# Altium PCB Condor2a.PcbDoc (part 1 of 2) (continued)
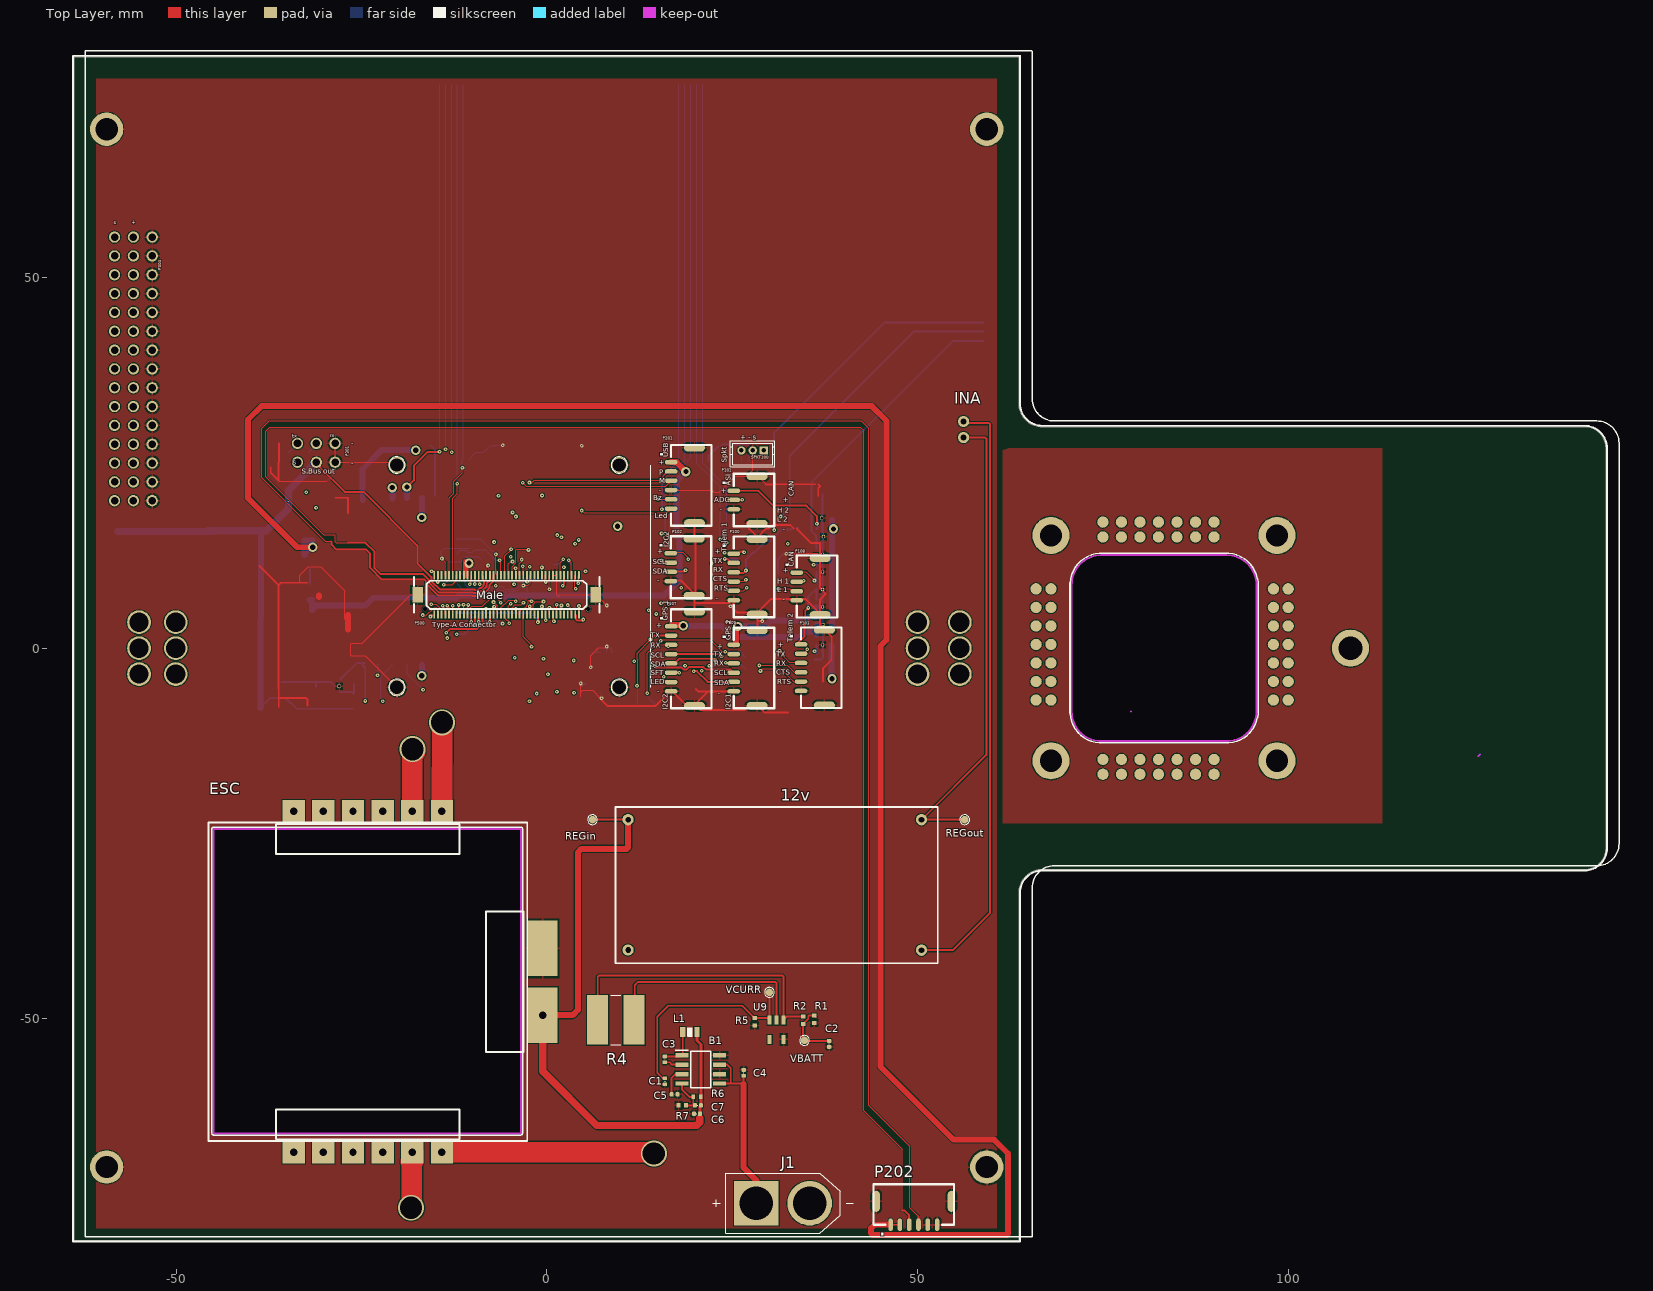
[diagram p0: Top Layer view]
## Components (designator, comment, footprint, x,y, rotation, side; value= is the part's Value field where it differs from the comment) (continued)
INA "Connector - Air Unit" "Connector - Air Unir" 56.21,29.302 r180 top
J1 "XT60-M" AMASS_XT60-M 31.858,-74.879 r0 top
JP100 "HEADER_2MM_RA_SMD" HEADER_2MM_RA_2 33.657,15.167 r90 bottom
L1 "INDUCTOR0805" 0805-IND 19.282,-51.791 r0 top
L100 "Kyocera KNH16C104DA5TS EMI filter" KYOCERA-KNH16-DA 37.068,17.529 r180 bottom
L101 "Kyocera KNH16C104DA5TS EMI filter" KYOCERA-KNH16-DA 37.195,0.455 r180 bottom
L102 "Kyocera KNH16C104DA5TS EMI filter" KYOCERA-KNH16-DA 37.195,7.923 r180 bottom
L103 "Kyocera KNH16C104DA5TS EMI filter" KYOCERA-KNH16-DA 37.195,12.662 r180 bottom
L104 "Kyocera KNH16C104DA5TS EMI filter" KYOCERA-KNH16-DA 37.218,3.183 r180 bottom
L105 "Kyocera KNH16C104DA5TS EMI filter" KYOCERA-KNH16-DA 37.322,15.032 r180 bottom
L106 "Kyocera KNH16C104DA5TS EMI filter" KYOCERA-KNH16-DA 37.195,10.292 r180 bottom
L107 "Kyocera KNH16C104DA5TS EMI filter" KYOCERA-KNH16-DA 37.195,5.553 r180 bottom
L300 "Kyocera KNH16C104DA5TS EMI filter" KYOCERA-KNH16-DA -28.01,-5.139 r90 bottom
M1 "MR30" MR30 50,0 r90 bottom
M2 "MR30" MR30 -50.063,0 r90 bottom
M3 "MR30" MR30 55.7,0 r90 bottom
M4 "MR30" MR30 -55.016,0 r90 bottom
P100 "JST_GH_V6" JST_GH_V6 30.658,9.62 r270 top
P101 "JST_GH_V3" JST_GH_V3 30.658,19.988 r270 top
P102 "JST_GH_V4" JST_GH_V4 22.158,10.92 r270 top
P103 "JST_GH_V6" JST_GH_V6 39.741,-2.625 r270 top
P104 "JST_GH_V4" JST_GH_V4 64.5,43.302 r90 bottom
P105 "JST_SUR_6" JST_SUR_H6 -12.482,78 r0 bottom
P106 "JST_SUR_6" JST_SUR_H6 19.819,78 r0 bottom
P107 "JST_GH_V8" JST_GH_V8 22.208,-1.43 r270 top
P108 "JST_GH_V4" JST_GH_V4 39.158,8.32 r270 top
P109 "JST_GH_V6" JST_GH_V6 30.658,-2.68 r270 top
P201 "JST_GH_V6" JST_GH_V6 22.208,21.962 r270 top
P202 "JST_GH_V6" JST_GH_V6 49.495,-72.325 r0 top
P301 "con 2x6" TSW-103-07-G-D -31.102,27.62 r90 top
P304 "PH_2 Servo header" TSW-115-08-G-T-RA -55.778,37.668 r0 top
P500 "CON-DF17-80M" CON-DF17-80M -5.446,7.18 r0 top
PSM200 "Power Selection module" PSM -22.184,9.262 r270 bottom
R1 "RESISTOR0402-RES" 0402-RES 36.068,-50.062 r270 top
R2 "RESISTOR0402-RES" 0402-RES 34.569,-50.181 r90 top
R4 "CSS2725FTL250" RESC6864X124N 9.296,-50.14 r0 top
R5 "RESISTOR0402-RES" 0402-RES 28.016,-50.394 r90 top
R6 "RESISTOR0402-RES" 0402-RES 20.248,-60.524 r180 top
R7 "RESISTOR0402-RES" 0402-RES 18.257,-61.684 r180 top
REGin "PAD.04" PAD.04X.04 6.158,-23.139 r90 top
REGout "PAD.04" PAD.04X.04 56.364,-23.139 r90 top
S1RX "PAD.04" PAD.04X.04 27.924,12.825 r0 bottom
S1TX "PAD.04" PAD.04X.04 25.765,11.809 r0 bottom
S2RX "PAD.04" PAD.04X.04 22.658,-3.08 r0 bottom
S2TX "PAD.04" PAD.04X.04 16.658,-3.28 r0 bottom
S3RX "PAD.04" PAD.04X.04 14.758,-7.68 r0 bottom
S3TX "PAD.04" PAD.04X.04 12.258,-7.68 r0 bottom
S4RX "PAD.04" PAD.04X.04 26.658,-2.78 r180 bottom
S4TX "PAD.04" PAD.04X.04 26.604,-0.942 r180 bottom
S5_RX "PAD.04" PAD.04X.04 -32.294,26.433 r135 bottom
S5_TX "PAD.04" PAD.04X.04 -34.91,26.255 r135 bottom
SPI!CS1 "PAD.04" PAD.04X.04 3.266,11.269 r0 bottom
SPI_MISO1 "PAD.04" PAD.04X.04 -8.951,12.082 r0 bottom
SPI_MOSI1 "PAD.04" PAD.04X.04 -8.087,10.532 r180 bottom
SPI_SCK1 "PAD.04" PAD.04X.04 -10.348,13.657 r90 bottom
SPKT100 "CONN_SPEKTRUM_RX-TH" B3B-ZR 27.772,26.668 r180 top
U9 "INA169" INA169 30.988,-51.481 r180 top
VBATT "PAD.04" PAD.04X.04 34.747,-52.908 r180 top
VCURR "PAD.04" PAD.04X.04 30.023,-46.431 r180 top

## Footprints (in the part's own frame and the unit in brackets; to place one, negate y for a bottom-side part, rotate by r counter-clockwise, add the part's x,y. Pads: shape width x height; smd on the part's side, far side on the other; paste and mask are expansions set on the pad)
0402-CAP [mil]
  rrect50% 20x24 smd mask+0: P$1(-15.75,0) P$2(15.75,0)
  silkscreen extent 0,0 0,1, body extent -20,-10 20,10, height 20
0402-RES [mil] "0402-RES"
  rect 20x24 smd: P1(19.69,0) P2(-20,0)
  body extent -20,-10 20,10
0402-TVS [mil] "0402-TVS"
  rect 20x24 smd: A(20,0) C(-19.68,0)
  silkscreen extent -10,-16 3,16, body extent -20,-10 20,10, height 20
0805-IND [mil]
  rect 28x52 smd: P$1(-37.4,0) P$2(38,0)
  silkscreen extent -12,-23 12,23
AMASS_XT60-M [mm]
  round 6 hole 4.55: N(3.6,0)
  rect 6x6 / inner round 6 / far side rect 6x6 hole 4.55: P(-3.6,0)
  silkscreen extent -9.5,-4.05 9.5,4.05, body extent -7.75,-4.05 7.75,4.05, height 15.75
B3B-ZR [mil]
  rect 44x44 hole 24: 1(-59.05,0)
  round 44 hole 24: 2(0,0) 3(60,0)
  silkscreen extent -118,-51 119,87
CON-DF17-80M [mil]
  rrect100% 10x44 smd: 1(384,105)
  rect 10x44 smd: 2(384,-104.33) 3(365,105) 4(365,-104.33) 5(345,105) 6(345,-104.33) 7(325,105) 8(325,-104.33) 9(306,105) 10(306,-104.33) 11(286,105) 12(286,-104.33) 13(266,105) 14(266,-104.33) 15(247,105) 16(247,-104.33) 17(227,105) 18(227,-104.33) 19(207,105) 20(207,-104.33) 21(188,105) 22(188,-104.33) 23(168,105) 24(168,-104.33) 25(148,105) 26(148,-104.33) 27(128,105) 28(128,-104.33) 29(109,105) 30(109,-104.33) 31(89,105) 32(89,-104.33) 33(69,105) 34(69,-104.33) 35(50,105) 36(50,-104.33) 37(30,105) 38(30,-104.33) 39(10,105) 40(10,-104.33) 41(-9.84,105) 42(-9.84,-104.33) 43(-29.53,105) 44(-29.53,-104.33) 45(-49.21,105) 46(-49.21,-104.33) 47(-68.9,105) 48(-68.9,-104.33) 49(-88.58,105) 50(-88.58,-104.33) 51(-108.27,105) 52(-108.27,-104.33) 53(-127.95,105) 54(-127.95,-104.33) 55(-147.64,105) 56(-147.64,-104.33) 57(-167.32,105) 58(-167.32,-104.33) 59(-187.01,105) 60(-187.01,-104.33) 61(-206.69,105) 62(-206.69,-104.33) 63(-226.38,105) 64(-226.38,-104.33) 65(-246.06,105) 66(-246.06,-104.33) 67(-265.75,105) 68(-265.75,-104.33) 69(-285.43,105) 70(-285.43,-104.33) 71(-305.12,105) 72(-305.12,-104.33) 73(-324.8,105) 74(-324.8,-104.33) 75(-344.49,105) 76(-344.49,-104.33) 77(-364.17,105) 78(-364.17,-104.33) 79(-383.86,105) 80(-383.86,-104.33)
  round 87 hole 71: GND(-582,-491) GND(-582,690) GND(599,-491) GND(599,690)
  rect 56x83 smd: GND(-472.44,0) GND(473,0)
  round 26 hole 26 unplated: hole-1(-433.07,-74.8) hole-2(434,-74.8)
  silkscreen extent -626,-535 643,734, body extent -492,-109 492,115, height 124
"Connector - Air Unir" [mil]
  round 60 hole 30: 1(0,35) 2(0,-50)
"FOXEeR REAPER" [mm] "_128K"
  rect 3x3 hole 1: 1(-23,10) 2(-23,6) 3(-23,2) 4(-23,-2) 5(-23,-6) 6(-23,-10) 9(23,-10) 10(23,-6) 11(23,-2) 12(23,2) 13(23,6) 14(23,10)
  rect 7.5x4 hole 1: 7(-4.5,-23.6)
  rect 7.5x4 smd: 8(4.5,-23.6)
  silkscreen extent -21.5,-21.5 21.5,21.5, body extent -19.75,-20.25 20.25,20.25, height 4.5
HEADER_2MM_RA_2 [mil]
  rrect100% 50x119 smd: 1(-41.19,-31.46) 2(40.8,-35.39)
INA169 [mm]
  rect 0.55x1.2 smd: 1(-0.95,-1.3) 2(0,-1.3) 3(0.95,-1.3) 4(0.95,1.3) 5(-0.95,1.3)
  body extent -1.45,-1.53 1.45,1.27, height 1.2
JST_GH_V3 [mil]
  rrect100% 24x67 smd: 1(-49.21,-214.57) 2(0,-214.57) 3(50,-214.57)
  rrect100% 40x111 smd: GND(-125.98,-90.55) GND(126,-90.55)
  silkscreen extent -140,-215 140,0, body extent -138,-235 138,-40, height 165
JST_GH_V4 [mil]
  rrect100% 24x67 smd: 1(-73.82,-214.57) 2(-24.61,-214.57) 3(25,-214.57) 4(74,-214.57)
  rrect100% 40x111 smd: GND(-150.59,-90.55) GND(151,-90.55)
  silkscreen extent -164,-215 165,0, body extent -162,-235 163,-40, height 165
JST_GH_V6 [mil]
  rrect100% 24x67 smd: 1(-123.03,-214.57) 2(-73.82,-214.57) 3(-24.61,-214.57) 4(25,-214.57) 5(74,-214.57) 6(124,-214.57)
  rrect100% 40x111 smd: GND(-199.8,-90.55) GND(200,-90.55)
  silkscreen extent -214,-215 214,0, body extent -212,-232 212,-37, height 165
JST_GH_V8 [mil]
  rrect100% 24x67 smd: 1(-172.24,-214.57) 2(-123.03,-214.57) 3(-73.82,-214.57) 4(-24.61,-214.57) 5(25,-214.57) 6(74,-214.57) 7(124,-214.57) 8(173,-214.57)
  rrect100% 40x111 smd: GND(-249.01,-90.55) GND(250,-90.55)
  silkscreen extent -263,-215 263,0, body extent -261,-234 261,-39, height 165
JST_SUR_H6 [mm]
  rect 0.5x1 smd: 1(-2,2)
  rrect100% 0.5x1 smd: 2(-1.2,2) 3(-0.4,2) 4(0.4,2) 5(1.2,2) 6(2,2)
  rect 1.2x1.7 smd: GND(-3.3,0.05) GND(3.3,0.05)
  silkscreen extent -3.6,-0.4 3.6,2, body extent -3.5,-0.4 3.5,2.3, height 1.7
KYOCERA-KNH16-DA [mil] "KYOCERA-KNH16-DA"
  rect 16x16 smd: GND(0,-15.75) GND(0,16)
  rect 16x16 hole 12: GND(0,0)
  rect 24x24 smd: P$1(-31.49,0) P$2(32,0)
  silkscreen extent -31,-16 32,16, body extent -20,-10 20,10, height 14
"LM2596 DC-DC HW-411" [mil]
  round 60 hole 30: IN+(75.59,767.72) IN-(75.59,75.59) OUT+(1633.86,767.72) OUT-(1633.86,74.8)
  silkscreen extent 9,5 1720,836, body extent 5,5 1705,840, height 500
MICROSMP [mil]
  rect 32x32 smd: ANODE(26,0)
  rect 79x44 smd: CATHODE(-49.21,0)
  silkscreen extent -67,-24 24,35
MR30 [mm] "Connector; Header; 3 Position"
  round 3.2 hole 2.6: 1(-3.5,0) 2(0,0) 3(3.5,0)
  silkscreen extent -5.95,-2.45 5.95,2.45, body extent -6.1,-2.6 6.09,2.6, height 9.6
PAD.04X.04 [mil]
  rrect100% 40x40 smd paste-78.74: P$1(0,0)
  silkscreen extent -26,-26 26,26
PSM [mm]
  rrect50% 1.5x1.016 smd: 5V_HIPOWER(-11.25,-5.317) 5V_PERIPH(-11.25,-3.317) !VBUS_VALID(11.75,0.686) !VDD_BACKUP_VALID(11.75,-1.317) !VDD_BRICK_VALID(11.75,-3.317) GND(-11.25,-7.317) GND(11.75,-7.317) NC(-11.25,0.686) RX(-11.25,-1.317) SERVO_IN(11.75,2.692) SPEK(-11.25,2.692) VDD_5V_IN_PROT(11.75,-5.317)
  rrect50% 1.016x1.5 smd: !VDD_5V_HIPOWER_OC(-5.5,-10.25) !VDD_5V_PERIPH_EN(0.508,-10.25) !VDD_5V_PERIPH_OC(-3.5,-10.25) ALARM(4.521,-10.25) BUZZER_OUT(6.502,-10.25) VBUS(2.515,-10.25) VDD_3V3_SPEKTRUM_EN(-1.5,-10.25) VDD_5V_BACKUP(-1.4,9.75) VDD_5V_BACKUP(0.6,9.75) VDD_BRICK_IN(-5.5,9.75) VDD_BRICK_IN(-3.5,9.75) VDD_VBUS(2.7,9.75) VDD_VBUS(4.7,9.75)
  silkscreen extent -11.33,-10.32 11.9,9.83, body extent -11.3,-10.24 11.66,9.73, height 2.11
RESC6864X124N [mm]
  rect 2.86x6.71 smd: 1(-2.456,0) 2(2.456,0)
  silkscreen extent -0.7,-3.35 0.7,3.35
SOT127P600X170-8N [mm]
  rect 1.75x0.6 smd: 1(-2.55,1.905) 2(-2.55,0.635) 3(-2.55,-0.635) 4(-2.55,-1.905) 5(2.55,-1.905) 6(2.55,-0.635) 7(2.55,0.635) 8(2.55,1.905)
  silkscreen extent -3.42,-2.45 1.33,2.56, body extent -3,-2.45 3,2.45, height 1.57
TSW-103-07-G-D [mil] "2x6 pin"
  round 60 / inner round 60 / far side round 74.02 hole 40.16: 1(-100,100) 2(0,100) 3(-100,0) 4(0,0) 5(-100,-100) 6(0,-100)
  body extent -150,-150 50,150, height 330
TSW-115-08-G-T-RA [mil] "15 pin head"
  round 60 / inner round 60 / far side round 74.02 hole 40.16: 1(-100,-700) 2(-100,-600) 3(-100,-500) 4(-100,-400) 5(-100,-300) 6(-100,-200) 7(-100,-100) 8(-100,0) 9(-100,100) 10(-100,200) 11(-100,300) 12(-100,400) 13(-100,500) 14(-100,600) 15(-100,700) GND(100,-700) GND(100,-600) GND(100,-500) GND(100,-400) GND(100,-300) GND(100,-200) GND(100,-100) GND(100,0) GND(100,100) GND(100,200) GND(100,300) GND(100,400) GND(100,500) GND(100,600) GND(100,700) "RX 5V"(0,700) "SERVO VCC"(0,-700) "SERVO VCC"(0,-600) "SERVO VCC"(0,-500) "SERVO VCC"(0,-400) "SERVO VCC"(0,-300) "SERVO VCC"(0,-200) "SERVO VCC"(0,-100) "SERVO VCC"(0,0) "SERVO VCC"(0,100) "SERVO VCC"(0,200) "SERVO VCC"(0,300) "SERVO VCC"(0,400) "SERVO VCC"(0,500) "SERVO VCC"(0,600)

## Part data
B1: "SIMPLE SWITCHER, 36V 2.5A Synchronous Step-Down Converter", Manufacturer_Name="Texas Instruments", Mouser Part Number=595-LMR23625CDDAR, Datasheet Link=http://www.ti.com/lit/gpn/lmr23625, Geometry.Height=1.7mm, Manufacturer_Part_Number=LMR23625CDDAR, Mouser Price/Stock=https://www.mouser.co.uk/ProductDetail/Texas-Instruments/LMR23625CDDAR?qs=8%2FmU9qzJpL%2FuNiFnLdW2uw%3D%3D
C1 C2 C3 C4 C5 C7: library part CAP0402, PARTNO=CC0402ZRY5V7BB104, Supplier Part Number 1=311-1047-1-ND, Supplier 1=Digi-Key
C6: library part CAP0402, PARTNO=CC0402ZRY5V7BB104, Supplier 1=Digi-Key
D100 D101 D102 D103 D104 D105 D106 D107 D108 D301: "Diode, TVS, 14VWM, 40VC, 0402, SMD", Supplier Part Number 1=650-PESD0402-140, Supplier 1=Mouser
D300: library part DIODE-SCHOTTKY_MSMP, "Diode, Schottky, 40V, 1A, MicroSMP, SMD", Supplier Part Number 1=15R2105, Supplier 1=Newark
J1: "Plug; DC supply; XT60; male; PIN: 2; for cable; soldered; 30A; 500V", Package=Package, Availability="Not in stock", Check_prices=https://www.snapeda.com/parts/XT60-M/AMASS/view-part/?ref=eda, MF=AMASS, MP=XT60-M, Price=None, SnapEDA_Link=https://www.snapeda.com/parts/XT60-M/AMASS/view-part/?ref=snap
JP100: "Connector, PCB, 2MM, 2Pos, R/A, SMD, Au", Supplier Part Number 1=830-10-002-40-001101-ND, Supplier 1=Digi-Key
L1: Supplier Part Number 1=240-2389-6-ND, Supplier 1=Digi-Key
L100 L101 L102 L103 L104 L105 L106 L107 L300: library part KNH16C104DA5TS, "Capacitor, Filter, 0.1uF, 25V, 2A, 0603, SMD", Supplier Part Number 1=478-6878-1-ND, Supplier 1=Digi-Key
P100 P103 P109 P201: "BM06B-GHS-TBT", Supplier Part Number 1=455-1582-2-ND, Supplier 1=Digi-Key
P101: "BM03B-GHS-TBT", Supplier Part Number 1=455-1579-2-ND, Supplier 1=Digi-Key
P102 P104 P108: "BM04B-GHS-TBT", Supplier Part Number 1=455-1580-2-ND, Supplier 1=Digi-Key
P105 P106: "Connector, Header, 6Pos, .8mm IDC, R/A, SMD, Tin", Supplier Part Number 1=SM06B-SURS-TF(LF)(SN)-ND, Supplier 1=Digi-Key
P107: "BM08B-GHS-TBT", Supplier Part Number 1=455-1584-2-ND, Supplier 1=Digi-Key
P202: "BM06B-GHS-TBT", Supplier 1=Digi-Key
P301: "Connector, Header, 6Pos, 2.54MM, Vert, THT, Au", Supplier Part Number 1=79P3920, Supplier 1=Newark
P304: "Connector, Header, 45Pos, 2.54MM, R/A, THT, Tin"
P500: "Connector, Header, 80Pos, .5MM, DUAL, SMD, Au", Supplier Part Number 1=DF17(1.0H)-80DP-0.5V(57)-ND, Supplier 1=Digi-Key
PSM200: library part PSMPSM, "PCA, PSM, Assembly"
R4: "250 ÂµOhms Â±1% 4W Chip Resistor Nonstandard Automotive AEC-Q200, Current Sense Metal Element", Package="6864 Stackpole", Check_prices=https://www.snapeda.com/parts/CSS2725FTL250/Stackpole%20Electronics%20Inc/view-part/4222273/?ref=eda, Digi-Key_Part_Number=CSS2725FTL250CT-ND, MF="Stackpole Electronics Inc", MP=CSS2725FTL250, Purchase-URL=https://pricing.snapeda.com/search/part/CSS2725FTL250/?ref=eda, SnapEDA_Link=https://www.snapeda.com/parts/CSS2725FTL250/Stackpole%20Electronics%20Inc/view-part/4222273/?ref=snap
SPKT100: "Spektrum RX connector; JST ZH series S3B-ZR-SM4A-TF", PARTNO=B3B-ZR(LF)(SN)
M1 M2 M3 M4: LatestRevisionDate=17-Jul-2002, LatestRevisionNote="Re-released for DXP Platform.", Publisher="Altium Limited"

## Free pads (board coordinates)
  round 4.5 hole 3: 6(-59.38,-70) 6(-59.38,70) 6(59.34,-70) 6(59.34,70)
  round 5 hole 3: 7(68,15.2) 8(68,-15.2) 9(98.5,15.2) 10(98.5,-15.2)
  round 5 hole 3.2: 11(108.4,0)
  round 1.524 all layers, no hole: 15(75,17) 16(77.5,17) 17(80,17) 18(82.5,17) 19(85,17) 20(87.5,17) 21(90,17) 22(75,15) 23(77.5,15) 24(80,15) 25(82.5,15) 26(85,15) 27(87.5,15) 28(90,15) 29(75.006,-15.011) 30(77.506,-15.011) 31(80.006,-15.011) 32(82.506,-15.011) 33(85.006,-15.011) 34(87.506,-15.011) 35(90.006,-15.011) 36(75.006,-17.011) 37(77.506,-17.011) 38(80.006,-17.011) 39(82.506,-17.011) 40(85.006,-17.011) 41(87.506,-17.011) 42(90.006,-17.011) 43(98,8) 44(98,5.5) 45(98,3) 46(98,0.5) 47(98,-2) 48(98,-4.5) 49(98,-7) 50(100,8.001) 51(100,5.501) 52(100,3.001) 53(100,0.501) 54(100,-1.999) 55(100,-4.499) 56(100,-6.999) 57(67.996,8.001) 58(67.996,5.501) 59(67.996,3.001) 60(67.996,0.501) 61(67.996,-1.999) 62(67.996,-4.499) 63(67.996,-6.999) 64(65.996,8) 65(65.996,5.5) 66(65.996,3) 67(65.996,0.5) 68(65.996,-2) 69(65.996,-4.5) 70(65.996,-7)

## Via types
v1: diameter 0.5, hole 0.2, Top Layer to Bottom Layer, tented both sides, 166 vias
v2: diameter 1.27, hole 0.711, Top Layer to Bottom Layer, tented both sides, 13 vias
v3: diameter 3.5, hole 3, Top Layer to Bottom Layer, tented both sides, 4 vias

## Nets (pads, with @x,y where several pads share a name; then routed paths per layer and width w, separated by ;. In a path a pad name is that pad's centre, name@x,y a point inside that pad or via, vN(x,y) a via of type N, cw(c..) or ccw(c..) an arc to the next point about the centre after c; other vN are vias at no path point)
5V_PRES: D100.C L100.P$2 P101.1 | length 15.1
  Top Layer w0.254: P101.1@25.208,21.238 28.54,21.238 30.558,19.22 35.013,19.22 36.425,17.808 v1(36.425,16.767)
  Bottom Layer w0.254: D100.C@36.332,16.056 36.501,16.225 L100.P$2@36.501,17.402
ALARM: P500.24 PSM200.ALARM | length 12.7
  Top Layer w0.254: v1(-1.204,3.522) -1.204,4.504 P500.24@-1.179,4.53
  Bottom Layer w0.254: PSM200.ALARM@-12.184,4.741 -2.169,4.741 -1.128,3.7 -1.128,3.598 v1(-1.204,3.522)
AUX_BATT_CURRENT_SENS: P500.25
AUX_BATT_VOLTAGE_SENS: P500.23
BATT_CURRENT_SENS_PROT: P202.3 P500.49 | length 237.5
  Top Layer w0.15: -26.851,14.231 -28.423,14.231 -28.535,14.344 -28.535,15.305 -30.113,15.305 -37.922,23.115 -37.922,29.272 -37.368,29.826 42.291,29.826 42.729,29.388 42.729,-62.411 47.93,-67.611 47.93,-75.835
  Top Layer w0.254: -26.851,14.231 -24.486,14.231 -23.251,12.996 -23.251,10.792 -22.484,10.024 -16.754,10.024 -15.958,9.229 -15.958,8.894 -14.57,7.506 -9.945,7.506 -9.873,7.434 -9.153,7.434 -8.844,7.742 -8.686,7.742 -8.168,8.261 -8.168,8.419 -8.113,8.474 -8.113,8.749 -7.681,9.181 -7.681,9.832 P500.49@-7.696,9.847 ; 47.93,-75.835 48.202,-75.835 48.87,-76.503 P202.3@48.87,-77.775
BATT_VOLTAGE_SENS_PROT: P202.4 P500.47 | length 240.9
  Top Layer w0.15: -29.159,14.393 -29.886,14.393 -38.456,22.963 -38.456,29.68 -37.453,30.682 42.392,30.682 43.409,29.665 43.409,-61.646 48.971,-67.208 48.971,-75.49 50.13,-76.648
  Top Layer w0.254: -29.159,14.393 -29.042,14.276 -29.042,13.92 -28.423,13.301 -24.394,13.301 -23.835,12.742 -23.835,10.837 -22.248,9.25 -16.518,9.25 -16.339,9.071 -16.339,8.736 -14.728,7.125 -10.103,7.125 -10.031,7.053 -8.995,7.053 -8.686,7.361 -8.528,7.361 -7.787,8.103 -7.787,8.119 -7.77,8.119 -7.732,8.158 -7.732,8.526 -7.173,9.085 -7.196,9.107 P500.47@-7.196,9.847 ; P202.4@50.13,-77.775 50.13,-76.648
BUZZER_OUT: P201.5 PSM200.BUZZER_OUT | length 46.6
  Top Layer w0.15: v1(14.993,20.083) P201.5@16.758,20.083
  Signal Layer 2 w0.15: v1(-5.979,3.319) -6.284,3.319 -6.309,3.344 -5.024,4.63 14.724,4.63 v1(14.739,4.614)
  Signal Layer 1 w0.15: v1(14.739,4.614) 14.739,4.883 14.587,5.035 14.587,7.698 14.739,7.851 14.739,19.829 v1(14.993,20.083)
  Bottom Layer w0.15: PSM200.BUZZER_OUT@-12.184,2.76 -12.173,2.771 -11.836,2.771 -10.399,4.208 -7.224,4.208 -6.335,3.319 v1(-5.979,3.319)
C_IN: R2.P1 R4.1 U9.1 | length 39.8
  Top Layer w0.254: R4.1@6.866,-50.19 6.866,-44.327 7.015,-44.178 31.789,-44.178 31.938,-44.327 U9.1@31.938,-50.181 32.438,-49.681 R2.P1@34.569,-49.681
C_OUT: R4.2 U9.2 | length 29.1
  Top Layer w0.254: R4.2@11.852,-50.14 11.852,-45.45 12.268,-45.034 30.839,-45.034 30.988,-45.183 U9.2@30.988,-50.181
CAN_H_1: P108.2 P500.79 | length 51.4
  Top Layer w0.15: v1(-15.555,10.38) -15.196,10.021 P500.79@-15.196,9.847
  Signal Layer 2 w0.15: v1(-15.555,10.38) -14.864,9.689 24.561,9.689 ; 24.567,9.695 27.045,9.695 27.624,9.116 v1@34.647,9.116
  other v1: 34.647,9.096
CAN_H_2: P104.2 P500.41 | length 88.5
  Top Layer w0.15: P500.41@-5.696,9.847 -5.696,12.441 -4.836,13.301 v1(-4.836,13.326)
  Signal Layer 2 w0.15: v1(-4.633,18.305) -4.095,18.305 -3.802,18.012 0.423,18.012 0.53,18.118 4.515,18.118 4.527,18.107 13.322,18.107 15.082,16.347 29.624,16.347 30.593,17.315 ; 30.593,17.322 30.979,17.709 31.492,17.709 v1(31.529,17.746)
  Signal Layer 1 w0.15: v1(-4.836,13.326) -4.836,18.305 -4.785,18.356 -4.684,18.356 v1(-4.633,18.305)
  Bottom Layer w0.254: v1(31.529,17.746) 32.758,18.974 32.758,25.948 49.507,42.697 58.883,42.697 P104.2@58.903,42.677
CAN_H_3: P500.10
CAN_L_1: P108.3 P500.77 | length 51.2
  Top Layer w0.15: v1(-14.717,8.932) -14.696,8.953 P500.77@-14.696,9.847 ; v1(31.258,8.02) 32.751,8.02 32.92,7.851 P108.3@33.718,7.851
  Signal Layer 2 w0.15: v1(-14.717,8.932) -14.717,8.881 -14.615,8.78 -14.34,8.78 -14.117,9.003 -11.414,9.003 -9.591,7.181 16.761,7.181 17.245,7.665 18.283,7.665 19.239,8.62 30.658,8.62 v1(31.258,8.02)
CAN_L_2: P104.3 P500.39 | length 91.6
  Top Layer w0.15: P500.39@-5.192,9.847 -5.192,11.371 -4.887,11.675 v1(-4.633,11.675)
  Signal Layer 2 w0.15: v1(-4.176,17.746) -4.165,17.735 0.538,17.735 0.549,17.746 13.291,17.746 15.112,15.924 v1(30.658,15.924)
  Signal Layer 1 w0.15: v1(-4.633,11.675) -4.394,11.914 -4.394,12.219 -4.384,12.229 -4.384,17.385 -4.176,17.594 v1(-4.176,17.746)
  Bottom Layer w0.254: v1(30.658,15.924) 30.658,29.039 45.556,43.937 P104.3@58.903,43.937
CAN_L_3: P500.8
E\X\T\E\R\N\_\C\S\: P500.5 SPI!CS1.P$1 | length 2.9
  Top Layer w0.15: v1(2.936,11.853) 2.962,11.853 3.317,11.498 P500.5@3.317,9.847
  Bottom Layer w0.15: v1(2.936,11.853) 2.936,11.599 SPI!CS1.P$1@3.266,11.269
EXTERN_DRDY: D_RDY1.P$1 P500.11 | length 3.9
  Top Layer w0.15: P500.11@1.819,9.847 1.819,11.523 2.225,11.929 v1(2.225,12.006)
  Bottom Layer w0.15: D_RDY1.P$1@0.93,11.294 1.514,11.294 v1(2.225,12.006)
F\M\U\-\L\E\D\_\A\M\B\E\R\: P201.6 P500.2 | length 26.6
  Top Layer w0.152: P500.2@4.308,4.53 4.333,4.555 v1(4.333,5.681) ; v1(4.714,18.559) 5.019,18.254 16.199,18.254 P201.6@16.758,18.813
  Signal Layer 1 w0.152: v1(4.333,5.681) 4.333,5.833 4.613,6.113 4.613,8.494 4.685,8.567 4.685,10.31 4.761,10.386 4.761,18.512 v1(4.714,18.559)
FMU-!RESET: P500.7
FMU-CH1-PROT: P304.1 P500.50 | length 62.8
  Top Layer w0.254: v1(-7.706,3.547) -7.696,3.558 P500.50@-7.696,4.53
  Signal Layer 2 w0.254: P304.1@-58.318,19.888 -58.318,17.145 -51.108,17.145 -35.834,1.871 -35.834,1.227 -35.685,1.079 -31.181,1.079 -30.922,1.338 -14.31,1.338 -13.832,0.859 -13.213,0.859 -12.201,1.871 v1(-12.177,1.871)
  Bottom Layer w0.254: v1(-12.177,1.871) -11.161,1.871 -10.551,2.481 -9.534,2.481 -8.441,3.573 -7.732,3.573 v1(-7.706,3.547)
FMU-CH2-PROT: P304.2 P500.52 | length 63.8
  Top Layer w0.15: v1(-8.214,5.325) -8.189,5.351 -8.189,4.536 P500.52@-8.196,4.53
  Signal Layer 2 w0.254: P304.2@-58.318,22.428 -57.125,21.234 -57.125,18.743 -56.771,18.39 -51.587,18.39 -34.916,1.719 -13.931,1.719 -13.783,1.57 -13.693,1.57 -13.486,1.363 v1(-13.421,1.363) ; v1(-8.214,5.325) v1@-8.189,5.351
  Signal Layer 1 w0.254: v1(-13.421,1.363) -13.07,1.715 -13.07,1.892 -12.38,2.582 -9.432,2.582 -8.214,3.8 v1(-8.214,5.325)
FMU-CH3-PROT: P304.3 P500.54 | length 63.8
  Top Layer w0.254: v1(-13.574,2.074) -13.062,2.586 -9.428,2.586 -8.676,3.339 -8.676,4.509 P500.54@-8.696,4.53
  Signal Layer 2 w0.254: P304.3@-58.318,24.968 -57.168,23.818 -51.181,23.818 -51.181,18.796 -34.757,2.372 -34.757,2.299 -34.609,2.15 -13.824,2.15 -13.795,2.121 -13.621,2.121 v1(-13.574,2.074)
FMU-CH4-PROT: P304.4 P500.56 | length 65.6
  Top Layer w0.15: P500.56@-9.196,4.058 P500.56@-9.196,4.53
  Top Layer w0.254: P500.56@-9.205,4.52 -9.205,3.573 v1(-9.18,3.547)
  Signal Layer 2 w0.254: P304.4@-58.318,27.508 -57.15,26.34 -50.597,26.34 -50.292,26.035 -50.292,19.228 -33.672,2.608 -19.873,2.608 -19.852,2.586 -9.555,2.586 -9.18,2.962 v1(-9.18,3.547)
FMU-CH5-PROT: P304.5 P500.58 | length 66.4
  Top Layer w0.254: v1(-9.764,3.09) -9.692,3.162 -9.692,4.526 P500.58@-9.696,4.53
  Signal Layer 2 w0.254: P304.5@-58.318,30.048 -57.201,28.931 -49.838,28.931 -49.682,28.775 -49.682,20.213 -36.854,7.385 -36.854,7.07 -32.85,3.065 -19.263,3.065 ; -19.242,3.043 -9.811,3.043 v1(-9.764,3.09)
FMU-CH6-PROT: P304.6 P500.60 | length 68.3
  Top Layer w0.254: v1(-10.196,3.547) P500.60@-10.196,4.53
  Signal Layer 2 w0.254: P304.6@-58.318,32.588 -57.048,31.318 -47.689,31.318 -47.54,31.169 -47.54,18.896 -32.192,3.547 v1(-10.196,3.547)
FMU-SWCLK: P106.5 P500.3 | length 91.7
  Top Layer w0.15: P500.3@3.825,9.847 3.78,9.801 3.78,8.14 v1(3.901,8.018)
  Signal Layer 2 w0.15: v1(3.8,14.088) 3.8,14.165 3.825,14.19 4.075,14.19 4.121,14.144 v1@24.164,14.144
  Signal Layer 1 w0.15: v1(3.8,14.088) 3.8,14.063 3.78,14.043 3.78,8.328 3.673,8.221 3.876,8.018 v1(3.901,8.018)
  Bottom Layer w0.15: P106.5@21.019,76 21.019,25.82 21.019,24.959 24.241,21.737 v1(24.241,14.222)
FMU-SWDIO: P106.4 P500.1 | length 89.2
  Top Layer w0.15: v1(4.232,8.754) 4.232,9.77 P500.1@4.308,9.847
  Signal Layer 2 w0.15: v1(4.308,14.596) 4.282,14.622 4.282,14.673 v1@23.371,14.673
  Signal Layer 1 w0.15: v1(4.232,8.754) 4.308,8.678 v1(4.308,14.596)
  Bottom Layer w0.15: P106.4@20.219,76 20.219,25.82 20.219,24.959 23.378,21.8 v1(23.378,14.679) 23.175,14.882
GND: B1.6 B1.8 C1.P$1 C2.P$1 C4.P$2 C5.P$2 C6.P$2 D100.A D101.A D102.A D103.A D104.A D105.A D106.A D107.A D108.A D301.A ESC.8 L100.GND L101.GND L102.GND L103.GND L104.GND L105.GND L106.GND L107.GND L300.GND P100.6 P100.GND P101.3 P101.GND P102.4 P102.GND P103.6 P103.GND P104.4 P104.GND P105.6 P105.GND P106.6 P106.GND P107.8 P107.GND P108.4 P108.GND P109.6 P109.GND P201.4 P201.GND P202.5 P202.6 P202.GND P301.5 P301.6 P304.GND P500.13 P500.15 P500.GND pad.6@59.34,-70 PSM200.GND R1.P1 R5.P2 R7.P1 SPKT100.2 U9.5 | length 339.9
  Top Layer w0.15: -36.173,22.557 -36.149,22.534 ; -33.513,8.819 -33.36,8.971 -33.36,9.821 -32.192,10.99 -30.516,10.99 -27.242,7.716 -27.242,3.924 ; -31.892,22.534 -36.149,22.534 ; -29.665,22.534 -30.802,22.534 -36.149,22.534 ; P301.6@-28.562,27.62 P301.5@-28.562,25.08 -20.603,25.08 P500.GND@-20.229,24.706 ; P500.GND@-20.229,-5.292 -24.008,-1.513 -24.47,-1.05 -26.383,-1.05 -26.471,-0.962 -26.471,0.558 -26.383,0.646 -24.882,0.646 -18.349,7.18 P500.GND@-17.446,7.18 ; v1(-5.954,27.373) v1@-5.878,27.296 ; P500.15@0.828,9.847 P500.13@1.311,9.847 1.311,7.23 1.59,6.951 1.819,7.18 P500.GND@6.568,7.18 6.645,7.18 v1(8.067,5.757) ; 4.558,-6.53 4.558,-5.952 ; v1(4.562,-4.758) 4.562,-5.175 4.558,-5.18 4.558,-5.952 ; v1@5.933,-2.523 5.933,-0.999 6.955,0.022 7.894,0.022 8.067,0.195 v1(8.067,0.22) ; v1@7.203,-6.74 6.158,-5.695 4.815,-5.695 4.558,-5.952 ; P201.4@16.758,21.327 22.283,21.327 22.562,21.048 23.285,21.048 25.425,23.188 P101.GND@26.973,23.188 ; P201.GND@19.648,27.296 P201.GND@19.907,27.037 ; SPKT100.2@27.772,26.668 27.772,23.987 P101.GND@26.973,23.188 ; 29.575,22.096 28.483,23.188 P101.GND@26.973,23.188
  Top Layer w0.254: -38.785,11.096 -36.189,8.5 ; -37.246,24.355 -37.246,23.63 -36.173,22.557 ; -36.189,-5.419 -36.189,8.5 ; -36.189,22.574 -36.189,25.021 ; -36.164,-7.959 -36.164,-6.74 ; -36.164,-5.419 -36.164,-6.74 ; -36.142,25.08 -36.142,27.62 ; -32.313,-7.717 -32.313,-6.888 -32.461,-6.74 -36.164,-6.74 ; -32.313,8.819 -33.513,8.819 -35.871,8.819 -36.189,8.5 ; -28.554,20.286 -26.851,20.286 -26.851,18.254 ; -26.825,4.487 -26.724,4.386 ; v1@7.203,-6.74 7.203,-6.816 8.194,-7.806 14.65,-7.806 16.783,-5.673 18.739,-7.629 P107.GND@19.933,-7.629 ; P102.4@16.884,9.161 18.078,9.161 P102.GND@20.034,7.205 ; P201.GND@19.907,16.882 19.907,14.992 20.034,14.865 20.034,12.959 20.048,12.945 20.034,12.931 P102.GND@20.034,7.205 ; P107.GND@20.048,4.932 19.933,5.046 19.933,6.113 ; 20.098,-5.52 20.403,-5.825 21.737,-5.825 ; 24.627,6.113 19.933,6.113 ; 24.633,6.119 25.268,6.754 25.268,6.156 v1(24.775,5.662) 25.613,4.824 P100.GND@28.418,4.824 ; P109.6@24.885,-5.825 21.737,-5.825 ; 26.629,-8.359 27.239,-7.749 28.418,-7.749 29.358,-8.689 32.558,-8.689 ; 26.658,-8.365 20.67,-8.365 P107.GND@19.933,-7.629 ; 26.959,16.91 26.973,16.924 P101.GND@26.973,16.788 ; 26.973,16.424 28.418,14.979 29.592,16.152 29.912,16.152 30.384,16.624 32.797,16.624 33.269,16.152 ; P109.GND@28.418,2.406 28.418,3.681 ; v1(29.067,3.655) 28.444,3.655 28.418,3.681 ; 29.575,22.096 30.591,22.096 ; 29.666,22.102 36.174,22.102 ; v1(32.31,12.728) 36.452,12.728 P108.GND@36.868,12.311 ; P108.4@33.269,6.627 30.222,6.627 P100.GND@28.418,4.824 ; P108.4@33.718,6.607 34.913,6.607 P108.GND@36.868,4.651 ; 33.718,16.132 35.674,14.176 36.868,14.176 P108.GND@36.868,12.311 ; 36.603,20.501 36.603,21.571 36.868,21.836 36.623,22.081 ; 37.253,-4.477 37.253,-2.711 38.432,-1.532 38.432,1.552 37.472,2.512 36.868,2.512 P108.GND@36.868,4.651 ; P107.GND@19.933,-7.629 21.737,-5.825 ; 19.933,6.113 19.933,7.105 P102.GND@20.034,7.205 ; 28.418,3.681 P100.GND@28.418,4.824 ; P108.GND@36.868,4.651 36.868,6.567 37.644,7.343 36.868,8.119 P108.GND@36.868,12.311
  Top Layer w0.8: -30.732,6.875 -30.732,7.088 ; -26.825,2.506 -26.825,4.487
  Signal Layer 1 w0.15: v1(4.562,-4.758) 5.933,-3.387 v1@5.933,-2.523 ; v1@7.381,-6.562 7.584,-6.765 8.296,-6.765 P500.GND@9.769,-5.292 ; v1(8.067,0.22) 8.113,0.266 8.113,1.601 8.087,1.626 8.087,5.854 8.067,5.833 v1(8.067,5.757)
  Bottom Layer w0.15: -29.665,22.534 -28.562,23.636 P301.5@-28.562,25.08 ; -15.782,27.45 -15.098,26.766 ; -10.482,25.5 -9.584,26.398 -8.498,26.398 -7.585,27.31 -7.043,27.31 ; -7.182,27.45 -7.043,27.31 ; v1(-5.954,27.373) -6.98,27.373 -7.043,27.31 ; v1(4.562,-4.758) 4.79,-4.987 ; v1@4.675,27.31 v1(4.689,27.296) ; 4.79,-5.165 5.286,-4.67 ; 6.065,-0.57 6.471,-0.57 6.877,-0.57 ; 7.258,-0.57 6.877,-0.57 ; 7.272,-6.071 7.381,-6.181 v1(7.381,-6.74) ; v1@8.067,0.022 7.082,0.022 6.877,-0.182 6.877,-0.57 ; 8.071,-0.57 v1@8.071,0.19 ; v1@8.219,0.068 8.583,0.068 8.781,-0.13 8.781,-0.492 8.859,-0.57 ; D102.A@27.289,25.144 27.289,26.185 SPKT100.2@27.772,26.668
  Bottom Layer w0.254: -35.808,-4.581 -31.135,-4.581 ; -31.135,-5.165 -31.135,-4.581 ; -31.135,-4.463 -31.135,-4.581 ; L300.GND@-28.604,-5.079 -29.103,-4.581 -31.135,-4.581 ; PSM200.GND@-15.098,20.493 -15.098,26.766 ; 21.819,25.296 21.819,25.946 23.119,27.246 ; 23.503,27.253 23.731,27.481 26.959,27.481 SPKT100.2@27.772,26.668 ; v1@29.055,3.667 v1(29.067,3.655) ; 31.188,9.98 31.188,12.05 31.865,12.728 v1(32.31,12.728) ; 36.078,-1.533 37.005,-1.533 37.258,-1.28 ; 37.162,20.704 37.195,20.67 37.195,4.276 37.258,-1.28 ; L101.GND@37.195,0.055 37.258,-1.28 ; L101.GND@37.195,0.862 37.258,-1.28
  other v1: 5.908,-2.574
I2C_1_SCL: P107.4 P500.37 | length 53.1
  Top Layer w0.15: P500.37@-4.684,9.847 -4.684,10.985 -4.181,11.488 -4.181,13.245 -4.1,13.326 -2.55,13.326 v1(-2.474,13.25)
  Top Layer w0.254: P107.4@16.758,-0.805 23.29,-0.805 v1(23.561,-1.075)
  Signal Layer 2 w0.15: v1(-2.474,13.25) 19.66,13.25 19.761,13.351 20.334,13.351 20.435,13.25 23.223,13.25 ; 23.229,13.257 23.606,13.257 23.962,12.901 v1(23.962,12.876)
  Signal Layer 1 w0.15: v1@23.535,-1.075 23.535,12.449 v1(23.962,12.876)
I2C_1_SDA: P107.5 P500.35 | length 49
  Top Layer w0.15: v1(-4.227,10.761) -4.176,10.812 P500.35@-4.176,9.847
  Top Layer w0.254: P107.5@16.758,-2.065 17.238,-2.065 17.867,-1.435 22.524,-1.435 v1(22.748,-1.66)
  Signal Layer 2 w0.15: v1(-4.227,10.761) -3.495,11.492 -2.185,11.492 -2.063,11.371 -0.975,11.371 0.168,12.514 16.949,12.514 18.092,11.371 v1@22.257,11.371
  Signal Layer 1 w0.15: v1@22.359,11.447 22.715,11.091 ; 22.721,11.098 23.098,11.098 23.098,-1.355 23.053,-1.355 v1(22.748,-1.66)
  other v1: 22.257,11.447
I2C_2_SCL: P102.2 P109.4 P500.6 | length 48.9
  Top Layer w0.15: v1@2.784,5.833 v1(2.809,5.808) 3.317,5.3 P500.6@3.317,4.53 ; v1(15.425,11.828) 15.425,11.701 15.46,11.665 P102.2@16.884,11.665
  Top Layer w0.254: v1(14.544,-2.447) 14.72,-2.623 18.173,-2.623 18.425,-2.875 18.842,-2.875 19.164,-2.553 21.103,-2.553 21.425,-2.875 24.768,-2.875 P109.4@25.208,-3.315
  Signal Layer 2 w0.15: v1(2.301,10.913) 3.622,10.913 4.536,11.828 v1(15.425,11.828)
  Signal Layer 1 w0.15: v1(2.301,10.913) 2.301,10.939 2.809,10.431 v1(2.809,5.808) ; v1(14.544,-2.447) 14.544,-0.508 14.663,-0.39 14.569,-0.296 14.645,-0.219 14.645,4.162 14.926,4.162 15.191,4.427 15.191,4.801 15.016,4.976 15.016,4.998 14.864,5.15 14.864,5.765 14.866,5.768 14.866,7.586 15.45,8.17 15.45,12.056 15.425,12.031 v1(15.425,11.828)
I2C_2_SDA: P102.3 P109.5 P500.4 | length 44
  Top Layer w0.254: P500.4@3.825,4.53 3.927,4.428 3.927,3.866 4.076,3.717 4.782,3.717 v1(4.917,3.852) ; P102.3@16.884,10.405 16.934,10.355 18.574,10.355 18.574,10.38 v1(18.701,10.507) ; v1(19.827,-3.107) 20.232,-3.107 21.684,-4.559 P109.5@25.208,-4.559
  Signal Layer 2 w0.254: v1(5.222,10.38) 5.222,10.405 5.324,10.507 v1(18.701,10.507)
  Signal Layer 1 w0.15: v1(18.701,10.507) 18.701,3.893 19.234,3.361 19.234,-1.836 19.827,-2.43 v1(19.827,-3.107)
  Signal Layer 1 w0.254: v1(4.917,3.852) 4.943,3.878 4.943,8.358 5.015,8.43 5.015,10.173 v1(5.222,10.38)
I\O\-\L\E\D\_\S\A\F\E\T\_\P\R\O\T\: P107.7 P500.28 | length 31.7
  Top Layer w0.15: P500.28@-2.195,4.53 -2.195,4.993 -1.844,5.343 -1.844,5.817 -1.897,5.87 -1.897,5.872 -1.616,6.154 -1.616,6.235 -1.56,6.291 v1(-0.442,6.291) ; v1@15.775,-4.042 15.775,-4.296 15.984,-4.504 16.06,-4.428 P107.7@16.783,-4.428
  Signal Layer 2 w0.15: v1(-0.442,6.291) -0.467,6.291 -0.493,6.316 3.937,6.316 4.031,6.41 15.026,6.41 v1(15.399,6.037)
  Signal Layer 1 w0.15: v1@15.526,6.037 15.141,5.651 15.141,5.265 15.293,5.112 15.293,5.091 15.468,4.916 15.468,4.312 15.041,3.885 14.922,3.885 14.922,0.143 15.115,-0.05 15.115,-0.424 14.932,-0.608 14.932,-2.195 14.996,-2.26 14.996,-2.634 14.932,-2.699 14.932,-3 v1(15.775,-3.844)
IO-!RESET: P500.75
IO-CH1-PROT: P304.7 P500.80 | length 65.6
  Top Layer w0.15: v1(-15.707,4.259) -15.784,4.335 -15.784,4.411 -15.665,4.53 P500.80@-15.196,4.53
  Signal Layer 2 w0.254: P304.7@-58.318,35.128 -57.277,34.087 -46.603,34.087 -46.454,33.938 -46.454,19.381 -34.949,7.875 -34.949,7.146 -32.9,5.097 -17.923,5.097 -17.253,4.427 -17.253,4.253 -16.958,3.958 -16.54,3.958 -16.271,4.227 -16.17,4.126 -15.84,4.126 v1(-15.707,4.259)
IO-CH2-PROT: P304.8 P500.78 | length 69.5
  Top Layer w0.15: v1@-16.927,4.386 -16.85,4.462 v1(-16.749,4.462) ; v1@-16.749,4.386 -16.311,4.386 -15.219,5.478 -14.92,5.478 -14.696,5.254 P500.78@-14.696,4.53
  Signal Layer 2 w0.254: P304.8@-58.318,37.668 -57.201,36.551 -46.507,36.551 -46.373,36.685 -46.163,36.685 -46.014,36.536 -46.014,22.14 -35.03,11.156 -35.03,9.472 -34.949,9.39 -34.949,9.265 -35.113,9.101 -35.113,8.579 -34.568,8.033 -34.568,7.303 -32.742,5.478 -17.765,5.478 v1(-16.749,4.462)
IO-CH3-PROT: P304.9 P500.76 | length 71
  Top Layer w0.15: v1(-15.606,5.935) -14.945,5.935 -14.196,5.185 P500.76@-14.196,4.53
  Signal Layer 2 w0.254: P304.9@-58.318,40.208 -57.15,39.04 -45.822,39.04 -45.534,38.752 -45.534,25.593 -34.757,14.816 -34.757,11.422 -34.649,11.314 -34.649,9.63 -34.568,9.548 -34.568,8.572 -34.187,8.191 -34.187,7.461 -32.66,5.935 v1(-15.606,5.935)
IO-CH4-PROT: P304.10 P500.74 | length 74.1
  Top Layer w0.15: v1@-14.082,5.681 -13.696,5.295 P500.74@-13.696,4.53
  Signal Layer 2 w0.254: P304.10@-58.318,42.748 -57.252,41.681 -45.542,41.681 -45.023,41.162 -45.023,26.222 -34.376,15.576 -34.376,11.58 -34.268,11.472 -34.268,9.788 -34.187,9.706 -34.187,8.73 -33.806,8.349 -33.806,7.619 -32.502,6.316 -15.938,6.316 -15.815,6.439 -15.397,6.439 -14.639,5.681 v1@-14.082,5.681
  other v1: -14.056,5.732
IO-CH5-PROT: P304.11 P500.72 | length 79.2
  Top Layer w0.15: v1(-13.421,5.706) -13.193,5.476 P500.72@-13.196,4.53
  Signal Layer 2 w0.254: P304.11@-58.318,45.288 -57.125,44.094 -44.577,44.094 -44.577,29.423 -44.428,29.274 -42.027,29.274 -35.834,23.081 -35.556,23.081 -35.407,22.932 -35.407,18.162 -35.088,17.842 -35.088,16.826 -33.878,15.616 -33.878,14.723 -33.995,14.605 -33.995,11.738 -33.887,11.63 -33.887,9.946 -33.806,9.864 -33.806,8.888 -33.425,8.507 -33.425,7.777 -32.345,6.697 -16.095,6.697 -15.972,6.82 -15.239,6.82 -14.786,6.367 -13.882,6.367 -13.828,6.313 -13.828,6.216 -13.552,5.941 -13.552,5.837 v1(-13.421,5.706)
IO-CH6-PROT: P304.12 P500.70 | length 82
  Top Layer w0.15: v1@-12.73,5.706 -12.73,4.564 P500.70@-12.696,4.53
  Signal Layer 2 w0.254: P304.12@-58.318,47.828 -57.201,46.711 -44.755,46.711 -44.145,46.101 -44.145,30.098 -43.702,29.655 -41.592,29.655 -35.026,23.09 -35.026,18.32 -34.785,18.079 -34.707,18 -34.707,16.984 -33.497,15.774 -33.497,14.565 -33.614,14.447 -33.614,11.896 -33.506,11.788 -33.506,10.103 -33.425,10.022 -33.425,9.046 -33.044,8.665 -33.044,7.935 -32.187,7.078 -16.253,7.078 -16.13,7.201 -15.081,7.201 -14.628,6.748 -12.888,6.748 -12.685,6.545 v1(-12.685,5.732)